# KiCad board kha-bgt-backplane-64.kicad_pcb
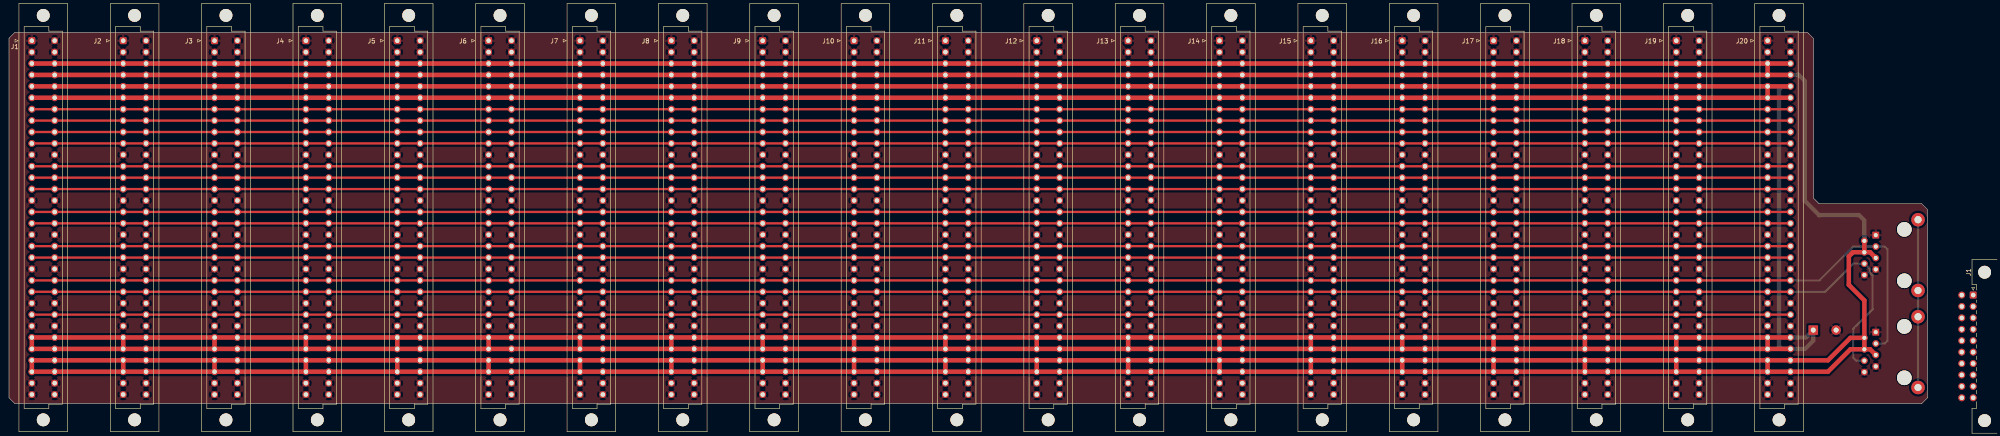
[diagram p0: board, top side]
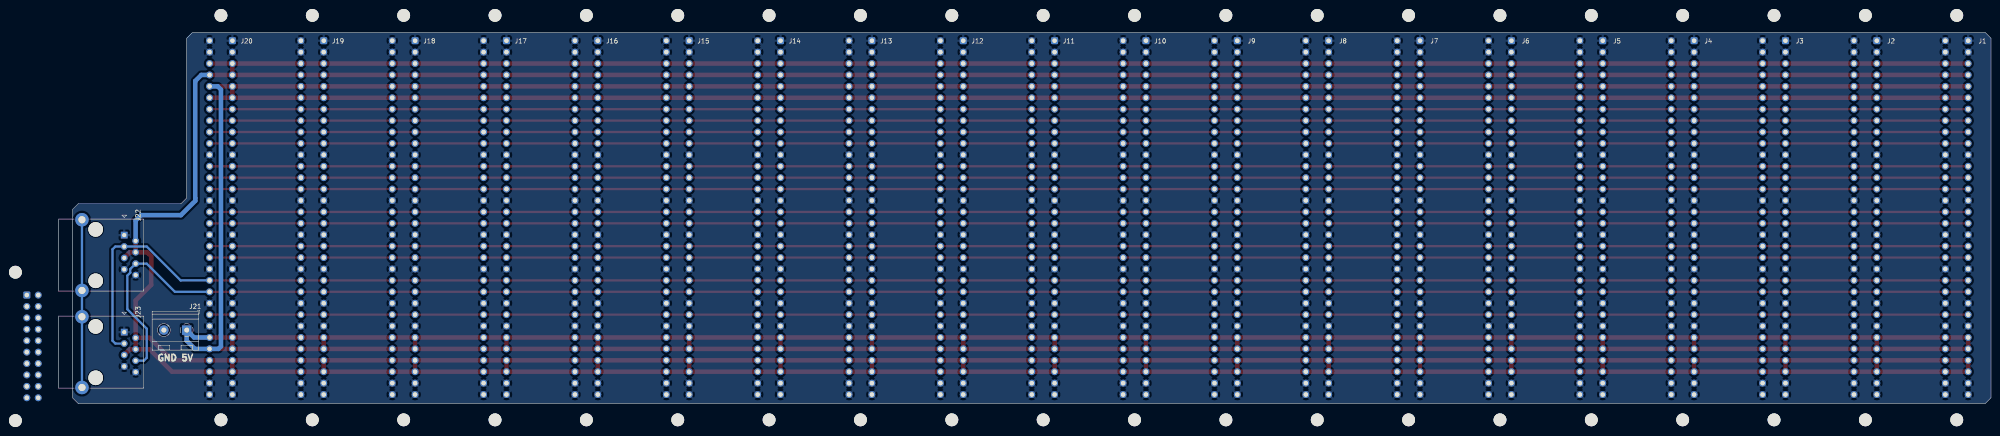
[diagram p1: board, bottom side, seen from below]

Outline 426.72 x 82.55 mm; copper layers: Top, Bottom. Coordinates in mm from the lower left corner of the outline.
Outline path: 0,81.28 0,1.27 1.27,0 425.45,0 426.72,1.27 426.72,43.18 425.45,44.45 402.59,44.45 401.32,45.72 401.32,81.28 400.05,82.55 1.27,82.55 0,81.28
Stack: Top 0.035mm / dielectric 1.51mm FR4 er 4.5 / Bottom 0.035mm

## Placement (name value [footprint] x y rotation side)
J1  DIN41612_02x10_AB  [DIN41612_B3_2x10_Male_Horizontal_THT]  436.88 24.13 270 top
J1#2  DIN41612_02x32_AC  [DIN41612_C_2x32_Female_Vertical_THT-FL-C 64G4]  7.62 41.36 0 top
J2  DIN41612_02x32_AC  [DIN41612_C_2x32_Female_Vertical_THT-FL-C 64G4]  27.94 41.36 0 top
J3  DIN41612_02x32_AC  [DIN41612_C_2x32_Female_Vertical_THT-FL-C 64G4]  48.26 41.36 0 top
J4  DIN41612_02x32_AC  [DIN41612_C_2x32_Female_Vertical_THT-FL-C 64G4]  68.58 41.36 0 top
J5  DIN41612_02x32_AC  [DIN41612_C_2x32_Female_Vertical_THT-FL-C 64G4]  88.9 41.36 0 top
J6  DIN41612_02x32_AC  [DIN41612_C_2x32_Female_Vertical_THT-FL-C 64G4]  109.22 41.36 0 top
J7  DIN41612_02x32_AC  [DIN41612_C_2x32_Female_Vertical_THT-FL-C 64G4]  129.54 41.36 0 top
J8  DIN41612_02x32_AC  [DIN41612_C_2x32_Female_Vertical_THT-FL-C 64G4]  149.86 41.36 0 top
J9  DIN41612_02x32_AC  [DIN41612_C_2x32_Female_Vertical_THT-FL-C 64G4]  170.18 41.36 0 top
J10  DIN41612_02x32_AC  [DIN41612_C_2x32_Female_Vertical_THT-FL-C 64G4]  190.5 41.36 0 top
J11  DIN41612_02x32_AC  [DIN41612_C_2x32_Female_Vertical_THT-FL-C 64G4]  210.82 41.36 0 top
J12  DIN41612_02x32_AC  [DIN41612_C_2x32_Female_Vertical_THT-FL-C 64G4]  231.14 41.36 0 top
J13  DIN41612_02x32_AC  [DIN41612_C_2x32_Female_Vertical_THT-FL-C 64G4]  251.46 41.36 0 top
J14  DIN41612_02x32_AC  [DIN41612_C_2x32_Female_Vertical_THT-FL-C 64G4]  271.78 41.36 0 top
J15  DIN41612_02x32_AC  [DIN41612_C_2x32_Female_Vertical_THT-FL-C 64G4]  292.1 41.36 0 top
J16  DIN41612_02x32_AC  [DIN41612_C_2x32_Female_Vertical_THT-FL-C 64G4]  312.42 41.36 0 top
J17  DIN41612_02x32_AC  [DIN41612_C_2x32_Female_Vertical_THT-FL-C 64G4]  332.74 41.36 0 top
J18  DIN41612_02x32_AC  [DIN41612_C_2x32_Female_Vertical_THT-FL-C 64G4]  353.06 41.36 0 top
J19  DIN41612_02x32_AC  [DIN41612_C_2x32_Female_Vertical_THT-FL-C 64G4]  373.38 41.36 0 top
J20  DIN41612_02x32_AC  [DIN41612_C_2x32_Female_Vertical_THT-FL-C 64G4]  393.7 41.36 0 top
J21  Screw_Terminal_01x02  [TerminalBlock_RND_205-00232_1x02_P5.08mm_Horizontal]  401.32 16.34 0 bottom
J22  RJ45_Shielded  [GDLX-S-88K]  424.61 33.02 270 bottom
J23  RJ45_Shielded  [GDLX-S-88K]  424.61 11.43 270 bottom

## Library data of the parts
J1 = -: Description: DIN41612 connector, double row (AB), 02x10, script generated (kicad-library-utils/schlib/autogen/connector/)
J1#2 J2-J20 = -: Description: DIN41612 connector, double row (AC), 02x32, script generated (kicad-library-utils/schlib/autogen/connector/)
J21 = -: Description: Generic screw terminal, single row, 01x02, script generated (kicad-library-utils/schlib/autogen/connector/)
J22 J23 = -: Description: RJ connector, 8P8C (8 positions 8 connected), Shielded

## Footprints (pads in the part's own frame, mm; a bottom-side part is the same pattern mirrored in y, then rotated)
DIN41612_B3_2x10_Male_Horizontal_THT
  round 2.85 hole 2.85 unplated: (-5.08,2.54) (27.94,2.54)
  rrect 1.55x1.55 hole 1: a1(0,0)
  round 1.55 hole 1: a2(2.54,0) a3(5.08,0) a4(7.62,0) a5(10.16,0) a6(12.7,0) a7(15.24,0) a8(17.78,0) a9(20.32,0) a10(22.86,0) b1(0,-2.54) b2(2.54,-2.54) b3(5.08,-2.54) b4(7.62,-2.54) b5(10.16,-2.54) b6(12.7,-2.54) b7(15.24,-2.54) b8(17.78,-2.54) b9(20.32,-2.54) b10(22.86,-2.54)
DIN41612_C_2x32_Female_Vertical_THT-FL-C 64G4
  round 2.85 hole 2.85 unplated: (0,45) (0,-45)
  rrect 1.55x1.55 hole 1: a1(-2.54,39.37)
  round 1.55 hole 1: a2(-2.54,36.83) a3(-2.54,34.29) a4(-2.54,31.75) a5(-2.54,29.21) a6(-2.54,26.67) a7(-2.54,24.13) a8(-2.54,21.59) a9(-2.54,19.05) a10(-2.54,16.51) a11(-2.54,13.97) a12(-2.54,11.43) a13(-2.54,8.89) a14(-2.54,6.35) a15(-2.54,3.81) a16(-2.54,1.27) a17(-2.54,-1.27) a18(-2.54,-3.81) a19(-2.54,-6.35) a20(-2.54,-8.89) a21(-2.54,-11.43) a22(-2.54,-13.97) a23(-2.54,-16.51) a24(-2.54,-19.05) a25(-2.54,-21.59) a26(-2.54,-24.13) a27(-2.54,-26.67) a28(-2.54,-29.21) a29(-2.54,-31.75) a30(-2.54,-34.29) a31(-2.54,-36.83) a32(-2.54,-39.37) c1(2.54,39.37) c2(2.54,36.83) c3(2.54,34.29) c4(2.54,31.75) c5(2.54,29.21) c6(2.54,26.67) c7(2.54,24.13) c8(2.54,21.59) c9(2.54,19.05) c10(2.54,16.51) c11(2.54,13.97) c12(2.54,11.43) c13(2.54,8.89) c14(2.54,6.35) c15(2.54,3.81) c16(2.54,1.27) c17(2.54,-1.27) c18(2.54,-3.81) c19(2.54,-6.35) c20(2.54,-8.89) c21(2.54,-11.43) c22(2.54,-13.97) c23(2.54,-16.51) c24(2.54,-19.05) c25(2.54,-21.59) c26(2.54,-24.13) c27(2.54,-26.67) c28(2.54,-29.21) c29(2.54,-31.75) c30(2.54,-34.29) c31(2.54,-36.83) c32(2.54,-39.37)
GDLX-S-88K
  round 3.25 hole 3.25 unplated: (-5.715,3.048) (5.715,3.048)
  rect 1.5x1.5 hole 0.9: 1(-4.445,9.398)
  round 1.5 hole 0.9: 2(-3.175,11.938) 3(-1.905,9.398) 4(-0.635,11.938) 5(0.635,9.398) 6(1.905,11.938) 7(3.175,9.398) 8(4.445,11.938)
  round 3 hole 1.6: SH(-7.874,-0.002) SH(7.874,0)
TerminalBlock_RND_205-00232_1x02_P5.08mm_Horizontal
  rect 2.1x2.1 hole 1.1: 1(0,0)
  round 2.1 hole 1.1: 2(5.08,0)

## Nets
+5V: J1#2.a5 J1#2.a6 J1#2.a27 J1#2.a28 J1#2.c5 J1#2.c6 J1#2.c27 J1#2.c28 J2.a5 J2.a6 J2.a27 J2.a28 J2.c5 J2.c6 J2.c27 J2.c28 J3.a5 J3.a6 J3.a27 J3.a28 J3.c5 J3.c6 J3.c27 J3.c28 J4.a5 J4.a6 J4.a27 J4.a28 J4.c5 J4.c6 J4.c27 J4.c28 J5.a5 J5.a6 J5.a27 J5.a28 J5.c5 J5.c6 J5.c27 J5.c28 J6.a5 J6.a6 J6.a27 J6.a28 J6.c5 J6.c6 J6.c27 J6.c28 J7.a5 J7.a6 J7.a27 J7.a28 J7.c5 J7.c6 J7.c27 J7.c28 J8.a5 J8.a6 J8.a27 J8.a28 J8.c5 J8.c6 J8.c27 J8.c28 J9.a5 J9.a6 J9.a27 J9.a28 J9.c5 J9.c6 J9.c27 J9.c28 J10.a5 J10.a6 J10.a27 J10.a28 J10.c5 J10.c6 J10.c27 J10.c28 J11.a5 J11.a6 J11.a27 J11.a28 J11.c5 J11.c6 J11.c27 J11.c28 J12.a5 J12.a6 J12.a27 J12.a28 J12.c5 J12.c6 J12.c27 J12.c28 J13.a5 J13.a6 J13.a27 J13.a28 J13.c5 J13.c6 J13.c27 J13.c28 J14.a5 J14.a6 J14.a27 J14.a28 J14.c5 J14.c6 J14.c27 J14.c28 J15.a5 J15.a6 J15.a27 J15.a28 J15.c5 J15.c6 J15.c27 J15.c28 J16.a5 J16.a6 J16.a27 J16.a28 J16.c5 J16.c6 J16.c27 J16.c28 J17.a5 J17.a6 J17.a27 J17.a28 J17.c5 J17.c6 J17.c27 J17.c28 J18.a5 J18.a6 J18.a27 J18.a28 J18.c5 J18.c6 J18.c27 J18.c28 J19.a5 J19.a6 J19.a27 J19.a28 J19.c5 J19.c6 J19.c27 J19.c28 J20.a5 J20.a6 J20.a27 J20.a28 J20.c5 J20.c6 J20.c27 J20.c28 J21.1
+12V: J1#2.a3 J1#2.a4 J1#2.a29 J1#2.a30 J1#2.c3 J1#2.c4 J1#2.c29 J1#2.c30 J2.a3 J2.a4 J2.a29 J2.a30 J2.c3 J2.c4 J2.c29 J2.c30 J3.a3 J3.a4 J3.a29 J3.a30 J3.c3 J3.c4 J3.c29 J3.c30 J4.a3 J4.a4 J4.a29 J4.a30 J4.c3 J4.c4 J4.c29 J4.c30 J5.a3 J5.a4 J5.a29 J5.a30 J5.c3 J5.c4 J5.c29 J5.c30 J6.a3 J6.a4 J6.a29 J6.a30 J6.c3 J6.c4 J6.c29 J6.c30 J7.a3 J7.a4 J7.a29 J7.a30 J7.c3 J7.c4 J7.c29 J7.c30 J8.a3 J8.a4 J8.a29 J8.a30 J8.c3 J8.c4 J8.c29 J8.c30 J9.a3 J9.a4 J9.a29 J9.a30 J9.c3 J9.c4 J9.c29 J9.c30 J10.a3 J10.a4 J10.a29 J10.a30 J10.c3 J10.c4 J10.c29 J10.c30 J11.a3 J11.a4 J11.a29 J11.a30 J11.c3 J11.c4 J11.c29 J11.c30 J12.a3 J12.a4 J12.a29 J12.a30 J12.c3 J12.c4 J12.c29 J12.c30 J13.a3 J13.a4 J13.a29 J13.a30 J13.c3 J13.c4 J13.c29 J13.c30 J14.a3 J14.a4 J14.a29 J14.a30 J14.c3 J14.c4 J14.c29 J14.c30 J15.a3 J15.a4 J15.a29 J15.a30 J15.c3 J15.c4 J15.c29 J15.c30 J16.a3 J16.a4 J16.a29 J16.a30 J16.c3 J16.c4 J16.c29 J16.c30 J17.a3 J17.a4 J17.a29 J17.a30 J17.c3 J17.c4 J17.c29 J17.c30 J18.a3 J18.a4 J18.a29 J18.a30 J18.c3 J18.c4 J18.c29 J18.c30 J19.a3 J19.a4 J19.a29 J19.a30 J19.c3 J19.c4 J19.c29 J19.c30 J20.a3 J20.a4 J20.a29 J20.a30 J20.c3 J20.c4 J20.c29 J20.c30 J22.2 J22.4 J22.5 J23.2 J23.4 J23.5
GND: J1#2.a1 J1#2.a2 J1#2.a11 J1#2.a15 J1#2.a18 J1#2.a21 J1#2.a24 J1#2.a26 J1#2.a31 J1#2.a32 J1#2.c1 J1#2.c2 J1#2.c11 J1#2.c15 J1#2.c18 J1#2.c21 J1#2.c24 J1#2.c26 J1#2.c31 J1#2.c32 J2.a1 J2.a2 J2.a11 J2.a15 J2.a18 J2.a21 J2.a24 J2.a26 J2.a31 J2.a32 J2.c1 J2.c2 J2.c11 J2.c15 J2.c18 J2.c21 J2.c24 J2.c26 J2.c31 J2.c32 J3.a1 J3.a2 J3.a11 J3.a15 J3.a18 J3.a21 J3.a24 J3.a26 J3.a31 J3.a32 J3.c1 J3.c2 J3.c11 J3.c15 J3.c18 J3.c21 J3.c24 J3.c26 J3.c31 J3.c32 J4.a1 J4.a2 J4.a11 J4.a15 J4.a18 J4.a21 J4.a24 J4.a26 J4.a31 J4.a32 J4.c1 J4.c2 J4.c11 J4.c15 J4.c18 J4.c21 J4.c24 J4.c26 J4.c31 J4.c32 J5.a1 J5.a2 J5.a11 J5.a15 J5.a18 J5.a21 J5.a24 J5.a26 J5.a31 J5.a32 J5.c1 J5.c2 J5.c11 J5.c15 J5.c18 J5.c21 J5.c24 J5.c26 J5.c31 J5.c32 J6.a1 J6.a2 J6.a11 J6.a15 J6.a18 J6.a21 J6.a24 J6.a26 J6.a31 J6.a32 J6.c1 J6.c2 J6.c11 J6.c15 J6.c18 J6.c21 J6.c24 J6.c26 J6.c31 J6.c32 J7.a1 J7.a2 J7.a11 J7.a15 J7.a18 J7.a21 J7.a24 J7.a26 J7.a31 J7.a32 J7.c1 J7.c2 J7.c11 J7.c15 J7.c18 J7.c21 J7.c24 J7.c26 J7.c31 J7.c32 J8.a1 J8.a2 J8.a11 J8.a15 J8.a18 J8.a21 J8.a24 J8.a26 J8.a31 J8.a32 J8.c1 J8.c2 J8.c11 J8.c15 J8.c18 J8.c21 J8.c24 J8.c26 J8.c31 J8.c32 J9.a1 J9.a2 J9.a11 J9.a15 J9.a18 J9.a21 J9.a24 J9.a26 J9.a31 J9.a32 J9.c1 J9.c2 J9.c11 J9.c15 J9.c18 J9.c21 J9.c24 J9.c26 J9.c31 J9.c32 J10.a1 J10.a2 J10.a11 J10.a15 J10.a18 J10.a21 J10.a24 J10.a26 J10.a31 J10.a32 J10.c1 J10.c2 J10.c11 J10.c15 J10.c18 J10.c21 J10.c24 J10.c26 J10.c31 J10.c32 J11.a1 J11.a2 J11.a11 J11.a15 J11.a18 J11.a21 J11.a24 J11.a26 J11.a31 J11.a32 J11.c1 J11.c2 J11.c11 J11.c15 J11.c18 J11.c21 J11.c24 J11.c26 J11.c31 J11.c32 J12.a1 J12.a2 J12.a11 J12.a15 J12.a18 J12.a21 J12.a24 J12.a26 J12.a31 J12.a32 J12.c1 J12.c2 J12.c11 J12.c15 J12.c18 J12.c21 J12.c24 J12.c26 J12.c31 J12.c32 J13.a1 J13.a2 J13.a11 J13.a15 J13.a18 J13.a21 J13.a24 J13.a26 J13.a31 J13.a32 J13.c1 J13.c2 J13.c11 J13.c15 J13.c18 J13.c21 J13.c24 J13.c26 J13.c31 J13.c32 J14.a1 J14.a2 J14.a11 J14.a15 J14.a18 J14.a21 J14.a24 J14.a26 J14.a31 J14.a32 J14.c1 J14.c2 J14.c11 J14.c15 J14.c18 J14.c21 J14.c24 J14.c26 J14.c31 J14.c32 J15.a1 J15.a2 J15.a11 J15.a15 J15.a18 J15.a21 J15.a24 J15.a26 J15.a31 J15.a32 J15.c1 J15.c2 J15.c11 J15.c15 J15.c18 J15.c21 J15.c24 J15.c26 J15.c31 J15.c32 J16.a1 J16.a2 J16.a11 J16.a15 J16.a18 J16.a21 J16.a24 J16.a26 J16.a31 J16.a32 J16.c1 J16.c2 J16.c11 J16.c15 J16.c18 J16.c21 J16.c24 J16.c26 J16.c31 J16.c32 J17.a1 J17.a2 J17.a11 J17.a15 J17.a18 J17.a21 J17.a24 J17.a26 J17.a31 J17.a32 J17.c1 J17.c2 J17.c11 J17.c15 J17.c18 J17.c21 J17.c24 J17.c26 J17.c31 J17.c32 J18.a1 J18.a2 J18.a11 J18.a15 J18.a18 J18.a21 J18.a24 J18.a26 J18.a31 J18.a32 J18.c1 J18.c2 J18.c11 J18.c15 J18.c18 J18.c21 J18.c24 J18.c26 J18.c31 J18.c32 J19.a1 J19.a2 J19.a11 J19.a15 J19.a18 J19.a21 J19.a24 J19.a26 J19.a31 J19.a32 J19.c1 J19.c2 J19.c11 J19.c15 J19.c18 J19.c21 J19.c24 J19.c26 J19.c31 J19.c32 J20.a1 J20.a2 J20.a11 J20.a15 J20.a18 J20.a21 J20.a24 J20.a26 J20.a31 J20.a32 J20.c1 J20.c2 J20.c11 J20.c15 J20.c18 J20.c21 J20.c24 J20.c26 J20.c31 J20.c32 J21.2 J22.1 J22.7 J22.8 J23.1 J23.7 J23.8
AUDIO_G: J1#2.a13 J1#2.c13 J2.a13 J2.c13 J3.a13 J3.c13 J4.a13 J4.c13 J5.a13 J5.c13 J6.a13 J6.c13 J7.a13 J7.c13 J8.a13 J8.c13 J9.a13 J9.c13 J10.a13 J10.c13 J11.a13 J11.c13 J12.a13 J12.c13 J13.a13 J13.c13 J14.a13 J14.c13 J15.a13 J15.c13 J16.a13 J16.c13 J17.a13 J17.c13 J18.a13 J18.c13 J19.a13 J19.c13 J20.a13 J20.c13
AUDIO_L: J1#2.a12 J1#2.c12 J2.a12 J2.c12 J3.a12 J3.c12 J4.a12 J4.c12 J5.a12 J5.c12 J6.a12 J6.c12 J7.a12 J7.c12 J8.a12 J8.c12 J9.a12 J9.c12 J10.a12 J10.c12 J11.a12 J11.c12 J12.a12 J12.c12 J13.a12 J13.c12 J14.a12 J14.c12 J15.a12 J15.c12 J16.a12 J16.c12 J17.a12 J17.c12 J18.a12 J18.c12 J19.a12 J19.c12 J20.a12 J20.c12
AUDIO_R: J1#2.a14 J1#2.c14 J2.a14 J2.c14 J3.a14 J3.c14 J4.a14 J4.c14 J5.a14 J5.c14 J6.a14 J6.c14 J7.a14 J7.c14 J8.a14 J8.c14 J9.a14 J9.c14 J10.a14 J10.c14 J11.a14 J11.c14 J12.a14 J12.c14 J13.a14 J13.c14 J14.a14 J14.c14 J15.a14 J15.c14 J16.a14 J16.c14 J17.a14 J17.c14 J18.a14 J18.c14 J19.a14 J19.c14 J20.a14 J20.c14
BUS-01: J1#2.a7 J1#2.c7 J2.a7 J2.c7 J3.a7 J3.c7 J4.a7 J4.c7 J5.a7 J5.c7 J6.a7 J6.c7 J7.a7 J7.c7 J8.a7 J8.c7 J9.a7 J9.c7 J10.a7 J10.c7 J11.a7 J11.c7 J12.a7 J12.c7 J13.a7 J13.c7 J14.a7 J14.c7 J15.a7 J15.c7 J16.a7 J16.c7 J17.a7 J17.c7 J18.a7 J18.c7 J19.a7 J19.c7 J20.a7 J20.c7
BUS-02: J1#2.a8 J1#2.c8 J2.a8 J2.c8 J3.a8 J3.c8 J4.a8 J4.c8 J5.a8 J5.c8 J6.a8 J6.c8 J7.a8 J7.c8 J8.a8 J8.c8 J9.a8 J9.c8 J10.a8 J10.c8 J11.a8 J11.c8 J12.a8 J12.c8 J13.a8 J13.c8 J14.a8 J14.c8 J15.a8 J15.c8 J16.a8 J16.c8 J17.a8 J17.c8 J18.a8 J18.c8 J19.a8 J19.c8 J20.a8 J20.c8
BUS-03: J1#2.a9 J1#2.c9 J2.a9 J2.c9 J3.a9 J3.c9 J4.a9 J4.c9 J5.a9 J5.c9 J6.a9 J6.c9 J7.a9 J7.c9 J8.a9 J8.c9 J9.a9 J9.c9 J10.a9 J10.c9 J11.a9 J11.c9 J12.a9 J12.c9 J13.a9 J13.c9 J14.a9 J14.c9 J15.a9 J15.c9 J16.a9 J16.c9 J17.a9 J17.c9 J18.a9 J18.c9 J19.a9 J19.c9 J20.a9 J20.c9
BUS-04: J1#2.a10 J1#2.c10 J2.a10 J2.c10 J3.a10 J3.c10 J4.a10 J4.c10 J5.a10 J5.c10 J6.a10 J6.c10 J7.a10 J7.c10 J8.a10 J8.c10 J9.a10 J9.c10 J10.a10 J10.c10 J11.a10 J11.c10 J12.a10 J12.c10 J13.a10 J13.c10 J14.a10 J14.c10 J15.a10 J15.c10 J16.a10 J16.c10 J17.a10 J17.c10 J18.a10 J18.c10 J19.a10 J19.c10 J20.a10 J20.c10
I2C_SCL: J1#2.a17 J1#2.c17 J2.a17 J2.c17 J3.a17 J3.c17 J4.a17 J4.c17 J5.a17 J5.c17 J6.a17 J6.c17 J7.a17 J7.c17 J8.a17 J8.c17 J9.a17 J9.c17 J10.a17 J10.c17 J11.a17 J11.c17 J12.a17 J12.c17 J13.a17 J13.c17 J14.a17 J14.c17 J15.a17 J15.c17 J16.a17 J16.c17 J17.a17 J17.c17 J18.a17 J18.c17 J19.a17 J19.c17 J20.a17 J20.c17
I2C_SDA: J1#2.a16 J1#2.c16 J2.a16 J2.c16 J3.a16 J3.c16 J4.a16 J4.c16 J5.a16 J5.c16 J6.a16 J6.c16 J7.a16 J7.c16 J8.a16 J8.c16 J9.a16 J9.c16 J10.a16 J10.c16 J11.a16 J11.c16 J12.a16 J12.c16 J13.a16 J13.c16 J14.a16 J14.c16 J15.a16 J15.c16 J16.a16 J16.c16 J17.a16 J17.c16 J18.a16 J18.c16 J19.a16 J19.c16 J20.a16 J20.c16
RESET: J1#2.a25 J1#2.c25 J2.a25 J2.c25 J3.a25 J3.c25 J4.a25 J4.c25 J5.a25 J5.c25 J6.a25 J6.c25 J7.a25 J7.c25 J8.a25 J8.c25 J9.a25 J9.c25 J10.a25 J10.c25 J11.a25 J11.c25 J12.a25 J12.c25 J13.a25 J13.c25 J14.a25 J14.c25 J15.a25 J15.c25 J16.a25 J16.c25 J17.a25 J17.c25 J18.a25 J18.c25 J19.a25 J19.c25 J20.a25 J20.c25
RS485_A: J1#2.a22 J1#2.c22 J2.a22 J2.c22 J3.a22 J3.c22 J4.a22 J4.c22 J5.a22 J5.c22 J6.a22 J6.c22 J7.a22 J7.c22 J8.a22 J8.c22 J9.a22 J9.c22 J10.a22 J10.c22 J11.a22 J11.c22 J12.a22 J12.c22 J13.a22 J13.c22 J14.a22 J14.c22 J15.a22 J15.c22 J16.a22 J16.c22 J17.a22 J17.c22 J18.a22 J18.c22 J19.a22 J19.c22 J20.a22 J20.c22 J22.3 J23.3
RS485_B: J1#2.a23 J1#2.c23 J2.a23 J2.c23 J3.a23 J3.c23 J4.a23 J4.c23 J5.a23 J5.c23 J6.a23 J6.c23 J7.a23 J7.c23 J8.a23 J8.c23 J9.a23 J9.c23 J10.a23 J10.c23 J11.a23 J11.c23 J12.a23 J12.c23 J13.a23 J13.c23 J14.a23 J14.c23 J15.a23 J15.c23 J16.a23 J16.c23 J17.a23 J17.c23 J18.a23 J18.c23 J19.a23 J19.c23 J20.a23 J20.c23 J22.6 J23.6
RS485_INT_A: J1#2.a19 J1#2.c19 J2.a19 J2.c19 J3.a19 J3.c19 J4.a19 J4.c19 J5.a19 J5.c19 J6.a19 J6.c19 J7.a19 J7.c19 J8.a19 J8.c19 J9.a19 J9.c19 J10.a19 J10.c19 J11.a19 J11.c19 J12.a19 J12.c19 J13.a19 J13.c19 J14.a19 J14.c19 J15.a19 J15.c19 J16.a19 J16.c19 J17.a19 J17.c19 J18.a19 J18.c19 J19.a19 J19.c19 J20.a19 J20.c19
RS485_INT_B: J1#2.a20 J1#2.c20 J2.a20 J2.c20 J3.a20 J3.c20 J4.a20 J4.c20 J5.a20 J5.c20 J6.a20 J6.c20 J7.a20 J7.c20 J8.a20 J8.c20 J9.a20 J9.c20 J10.a20 J10.c20 J11.a20 J11.c20 J12.a20 J12.c20 J13.a20 J13.c20 J14.a20 J14.c20 J15.a20 J15.c20 J16.a20 J16.c20 J17.a20 J17.c20 J18.a20 J18.c20 J19.a20 J19.c20 J20.a20 J20.c20
Net-(J22-PadSH): J22.SH J23.SH

Pads without a net: J1 a1 a2 a3 a4 a5 a6 a7 a8 a9 a10 b1 b2 b3 b4 b5 b6 b7 b8 b9 b10

## Routing (per net, layer and track width the routed paths; a pad name or vN(x,y) marks a point on that pad's centre or on a via; arc(x,y) is an arc through that point)
+5V: length 1694.7
  Top w1: J14.a28 J14.a27 ; J5.a28 J5.a27 ; J6.a28 J6.a27 ; J1#2.a6 J20.c6 ; J19.a28 J19.a27 ; J13.a28 J13.a27 ; J11.a28 J11.a27 ; J18.a28 J18.a27 ; J20.a5 J20.a6 ; J4.a28 J4.a27 ; J16.a28 J16.a27 ; J12.a28 J12.a27 ; J3.a28 J3.a27 ; J7.a28 J7.a27 ; J15.a28 J15.a27 ; J20.c5 J1#2.a5 ; J2.a28 J2.a27 ; J10.a28 J10.a27 ; J20.c28 J1#2.a28 J1#2.a27 J20.c27 ; J8.a28 J8.a27 ; J17.a28 J17.a27 ; J20.a28 J20.a27 ; J9.a28 J9.a27
  Bottom w1: J20.c27 399.68,14.69 J21.1 401.32,13.97 399.5,12.15 J20.c28 394.25,12.15 393.7,12.7 393.7,69.85 394.42,70.57 J20.c5
+12V: length 1739.6
  Top w1: J10.a30 J10.a29 ; J19.a30 J19.a29 ; J6.a30 J6.a29 ; J22.4 410.13,33.66 409.22,32.74 409.22,26.39 412.68,22.94 J23.2 ; J22.4 J22.2 ; J22.4 413.94,33.66 415.22,32.39 ; J20.c3 J1#2.a3 ; J7.a30 J7.a29 ; J9.a30 J9.a29 ; J4.a30 J4.a29 ; 415.22,10.8 413.94,12.06 412.68,12.06 ; J20.a3 J20.a4 ; J15.a30 J15.a29 ; 412.68,12.06 J23.2 ; 412.68,12.06 409.58,12.06 404.58,7.07 J20.c30 J1#2.a30 J1#2.a29 J20.c29 404.58,9.61 409.58,14.61 J23.2 ; J11.a30 J11.a29 ; J17.a30 J17.a29 ; J1#2.a4 J20.c4 ; J16.a30 J16.a29 ; J20.a30 J20.a29 ; J3.a30 J3.a29 ; J5.a30 J5.a29 ; J2.a30 J2.a29 ; J14.a30 J14.a29 ; J8.a30 J8.a29 ; J18.a30 J18.a29 ; J13.a30 J13.a29 ; J12.a30 J12.a29
  Bottom w1: J22.2 412.68,40.72 411.48,41.91 402.59,41.91 399.42,45.09 399.42,71.75 398.06,73.11 J20.c4
AUDIO_G: length 391.2
  Top w0.5: J20.c13 J1#2.a13
AUDIO_L: length 391.2
  Top w0.5: J1#2.a12 J20.c12
AUDIO_R: length 391.2
  Top w0.5: J1#2.a14 J20.c14
BUS-01: length 391.2
  Top w0.5: J20.c7 J1#2.a7
BUS-02: length 391.2
  Top w0.5: J1#2.a8 J20.c8
BUS-03: length 391.2
  Top w0.5: J20.c9 J1#2.a9
BUS-04: length 391.2
  Top w0.5: J1#2.a10 J20.c10
I2C_SCL: length 391.2
  Top w0.5: J20.c17 J1#2.a17
I2C_SDA: length 391.2
  Top w0.5: J1#2.a16 J20.c16
RESET: length 391.2
  Top w0.5: J20.c25 J1#2.a25
RS485_A: length 439.3
  Top w0.5: J1#2.a22 J20.c22
  Bottom w0.5: 415.22,13.34 417.19,13.34 417.83,13.97 417.83,34.29 417.19,34.92 410.21,34.92 402.68,27.39 J20.c22
RS485_B: length 436.4
  Top w0.5: J20.c23 J1#2.a23
  Bottom w0.5: J20.c23 403.94,24.85 410.21,31.12 J22.6 413.88,29.92 413.88,29.1 414.53,28.45 414.53,20.97 410.21,16.66 410.21,10.16 410.85,9.53 J23.6
RS485_INT_A: length 391.2
  Top w0.5: J20.c19 J1#2.a19
RS485_INT_B: length 391.2
  Top w0.5: J1#2.a20 J20.c20
Net-(J22-PadSH): length 37.3
  Bottom w0.5: J22.SH 424.61,40.89 J22.SH 424.62,25.14 J23.SH 424.61,19.3 J23.SH

## Copper pours and planes (outline as drawn; the poured copper is in the pictures)
GND on Top, Bottom: 0,82.55 426.72,82.55 426.72,0 0,0

## Text on the board
B.Silkscreen: GND 5V
